# Altium PCB mainboard.PcbDoc (part 1 of 2)
Units mm, origin at the board's own origin, x right, y up, seen from the top; angles counter-clockwise.
Board outline 100 x 100 mm, 2 copper layers (Top Layer, Bottom Layer); 247 components, 133 nets, 768 pads, 342 vias.
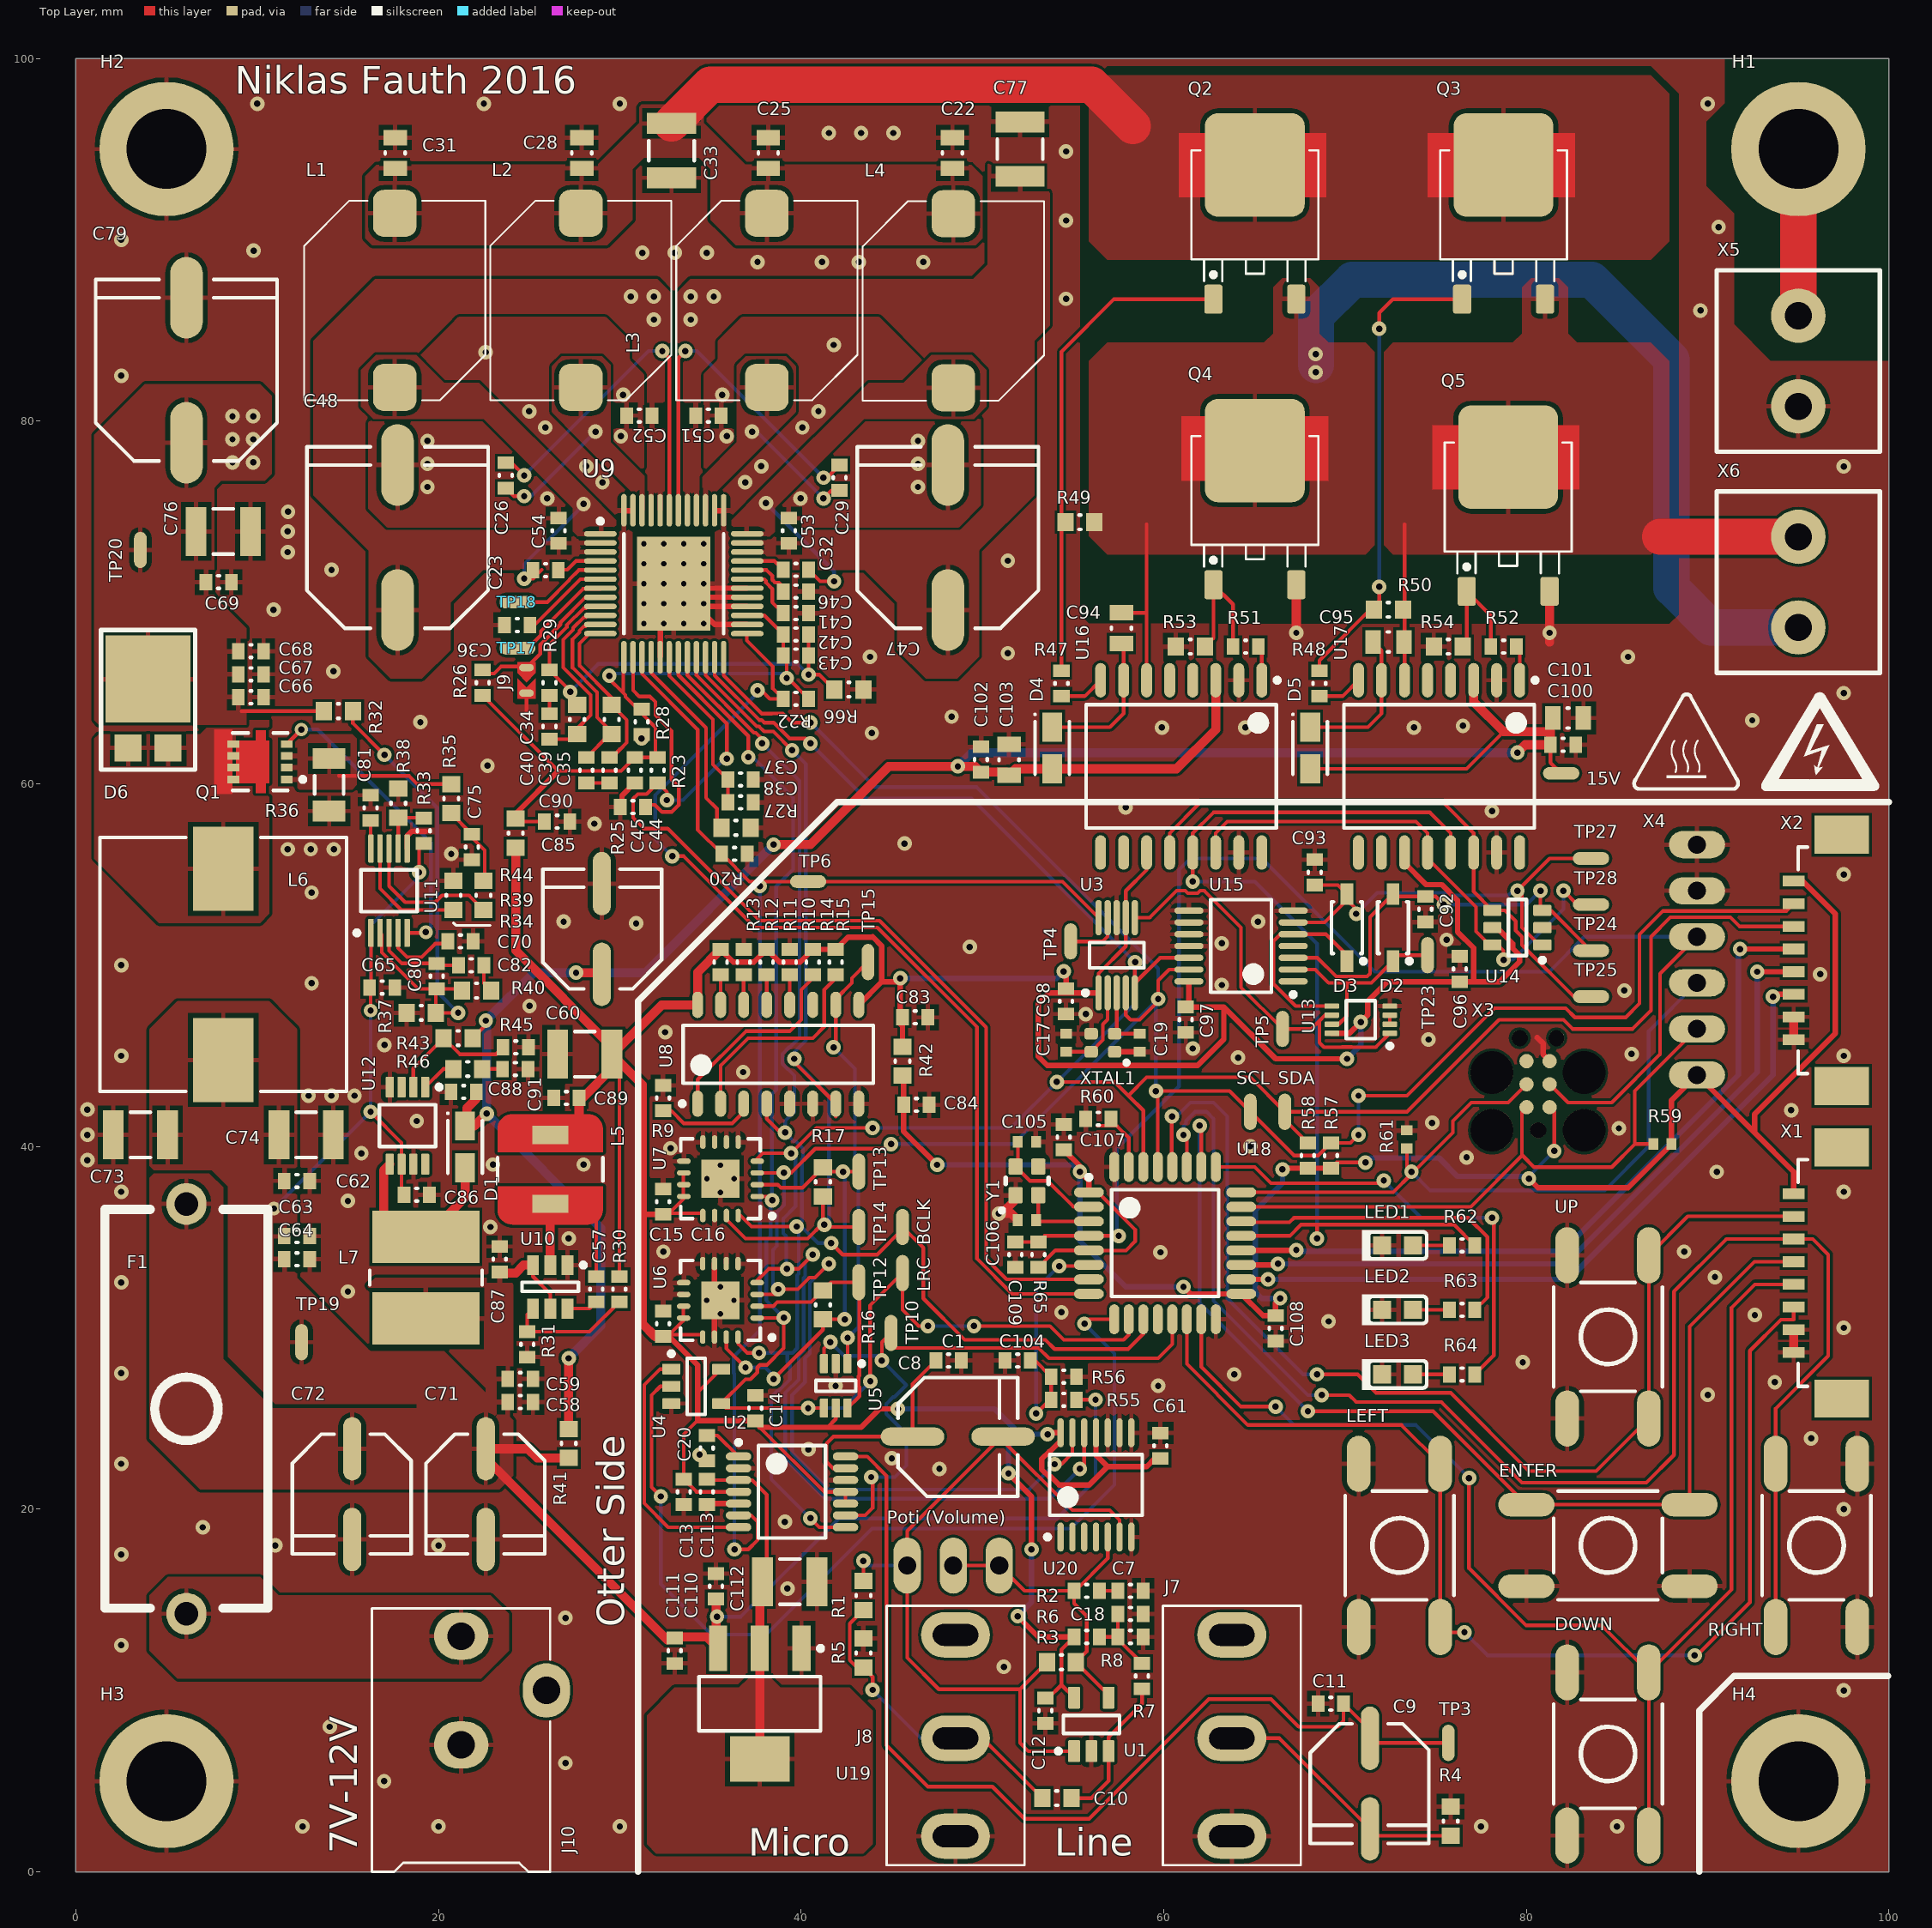
[diagram p0: Top Layer view]
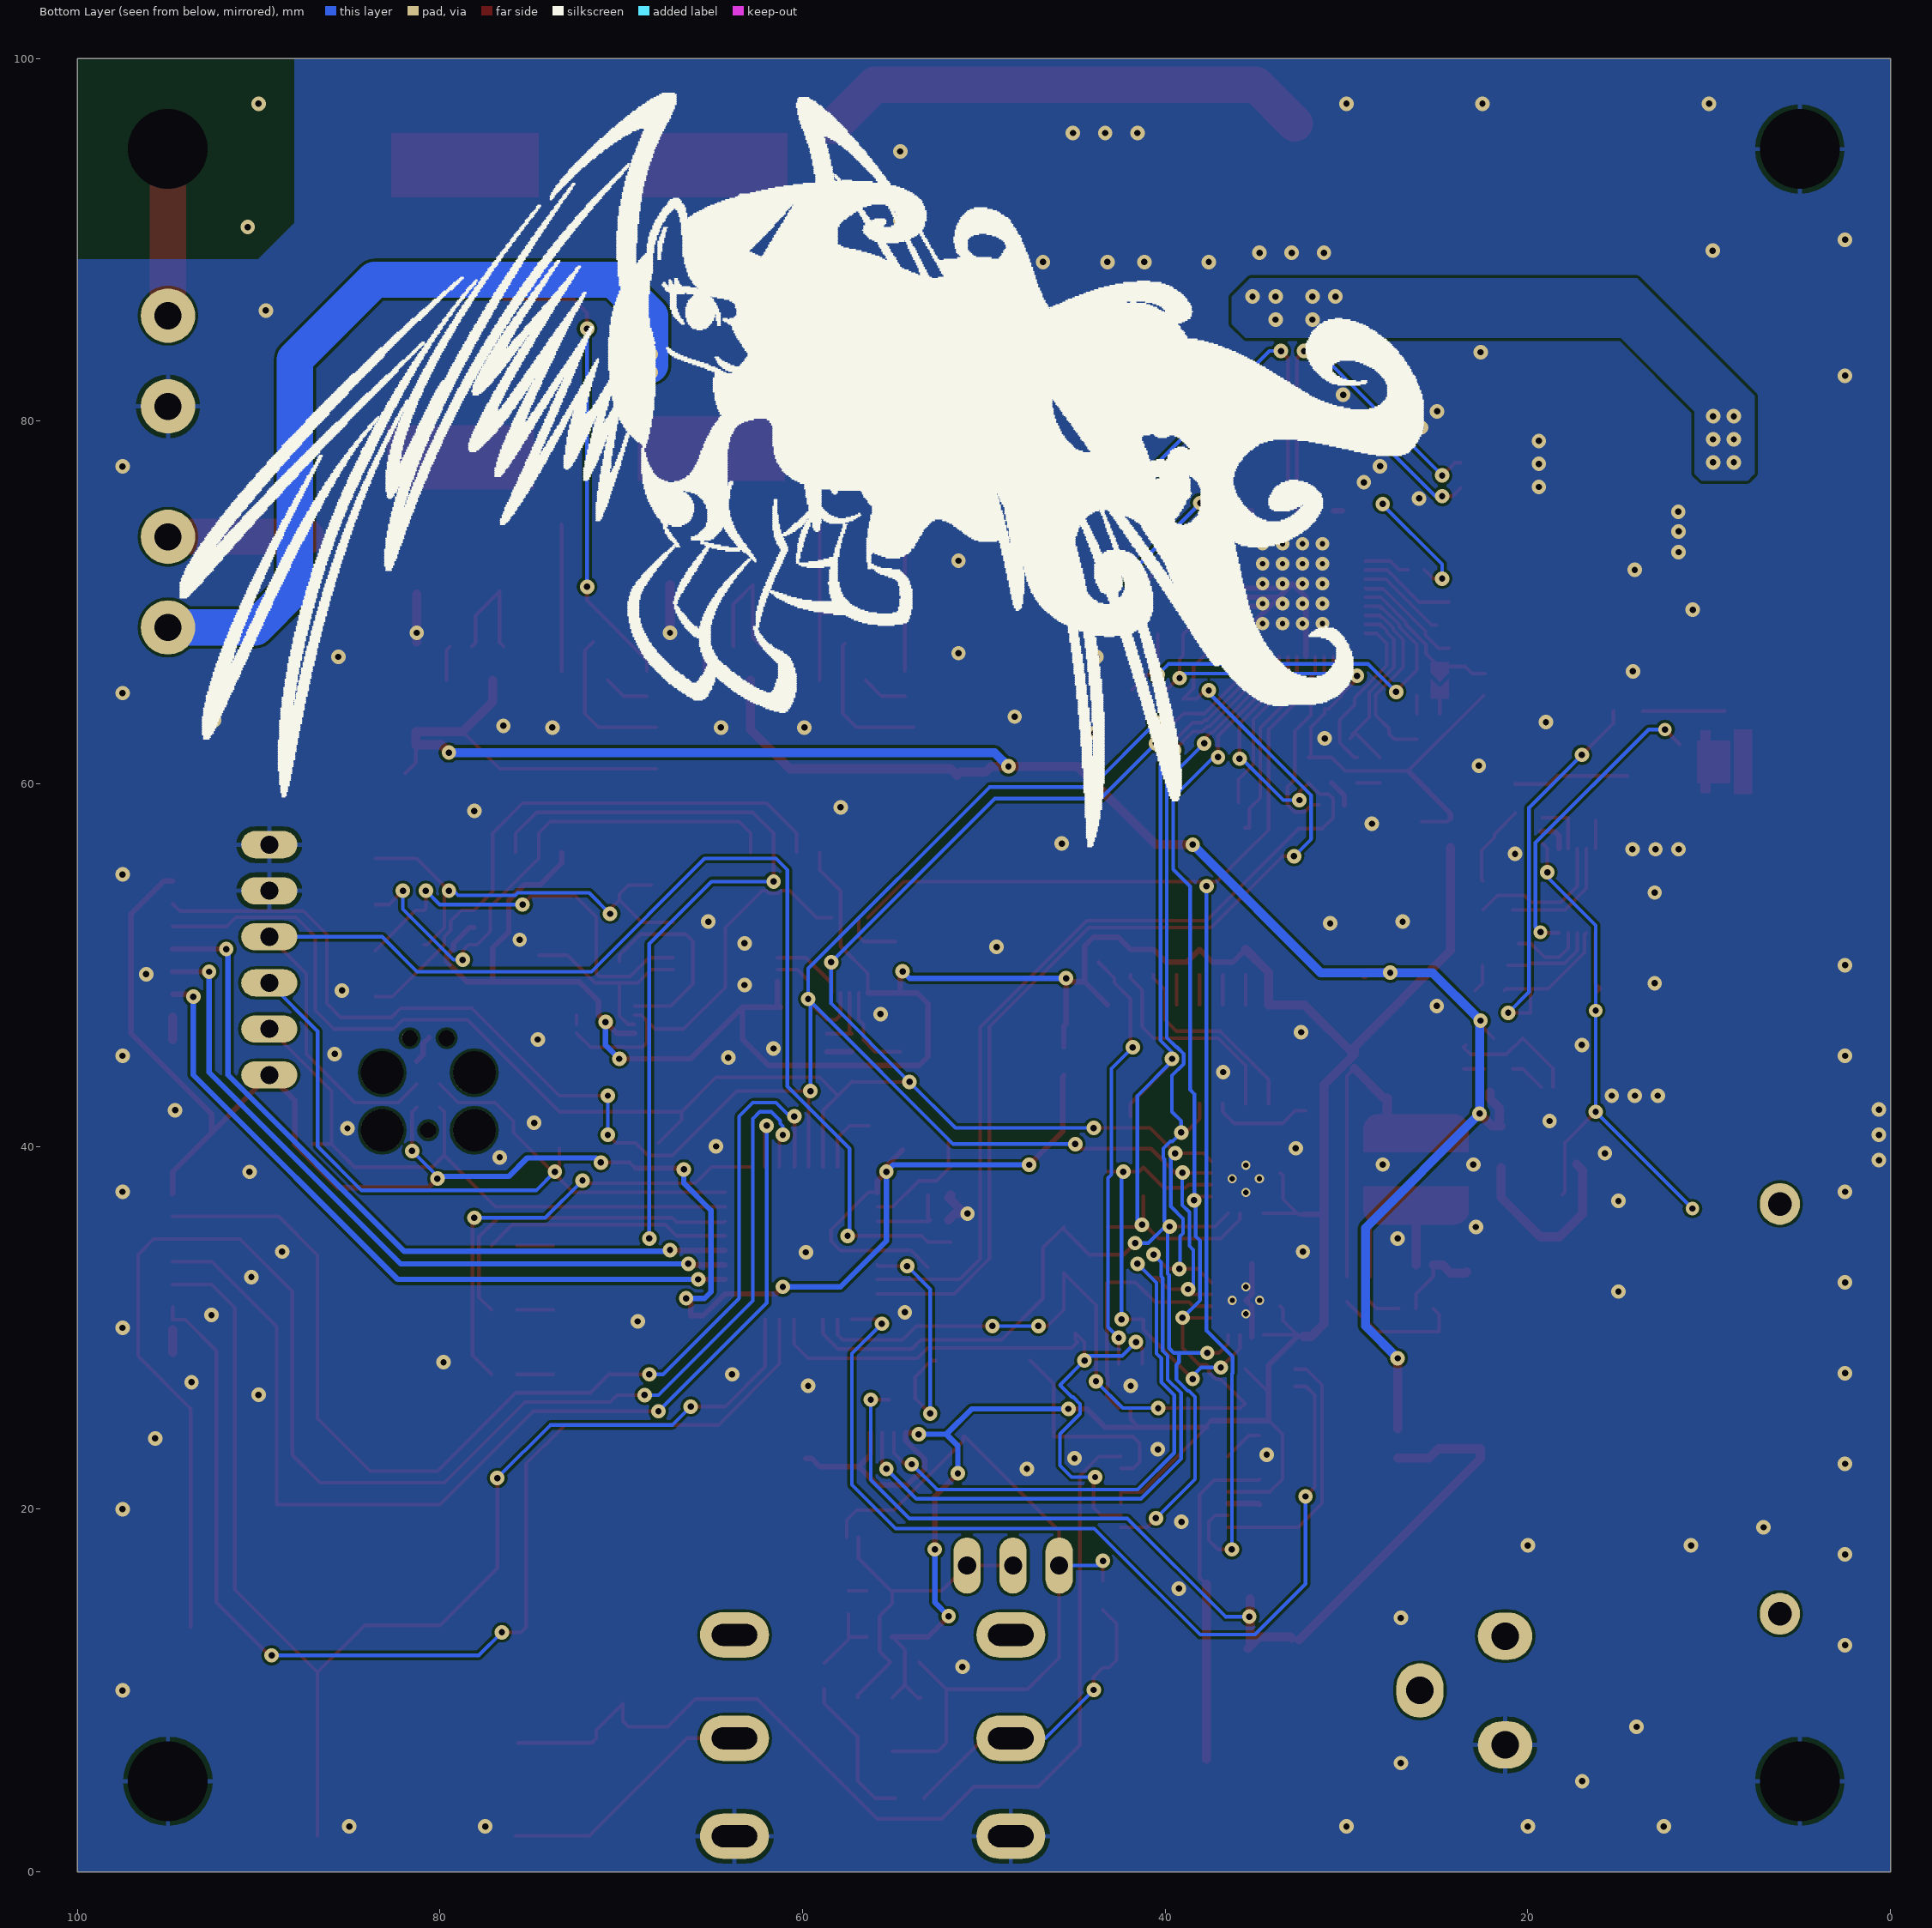
[diagram p1: Bottom Layer view, seen from below]
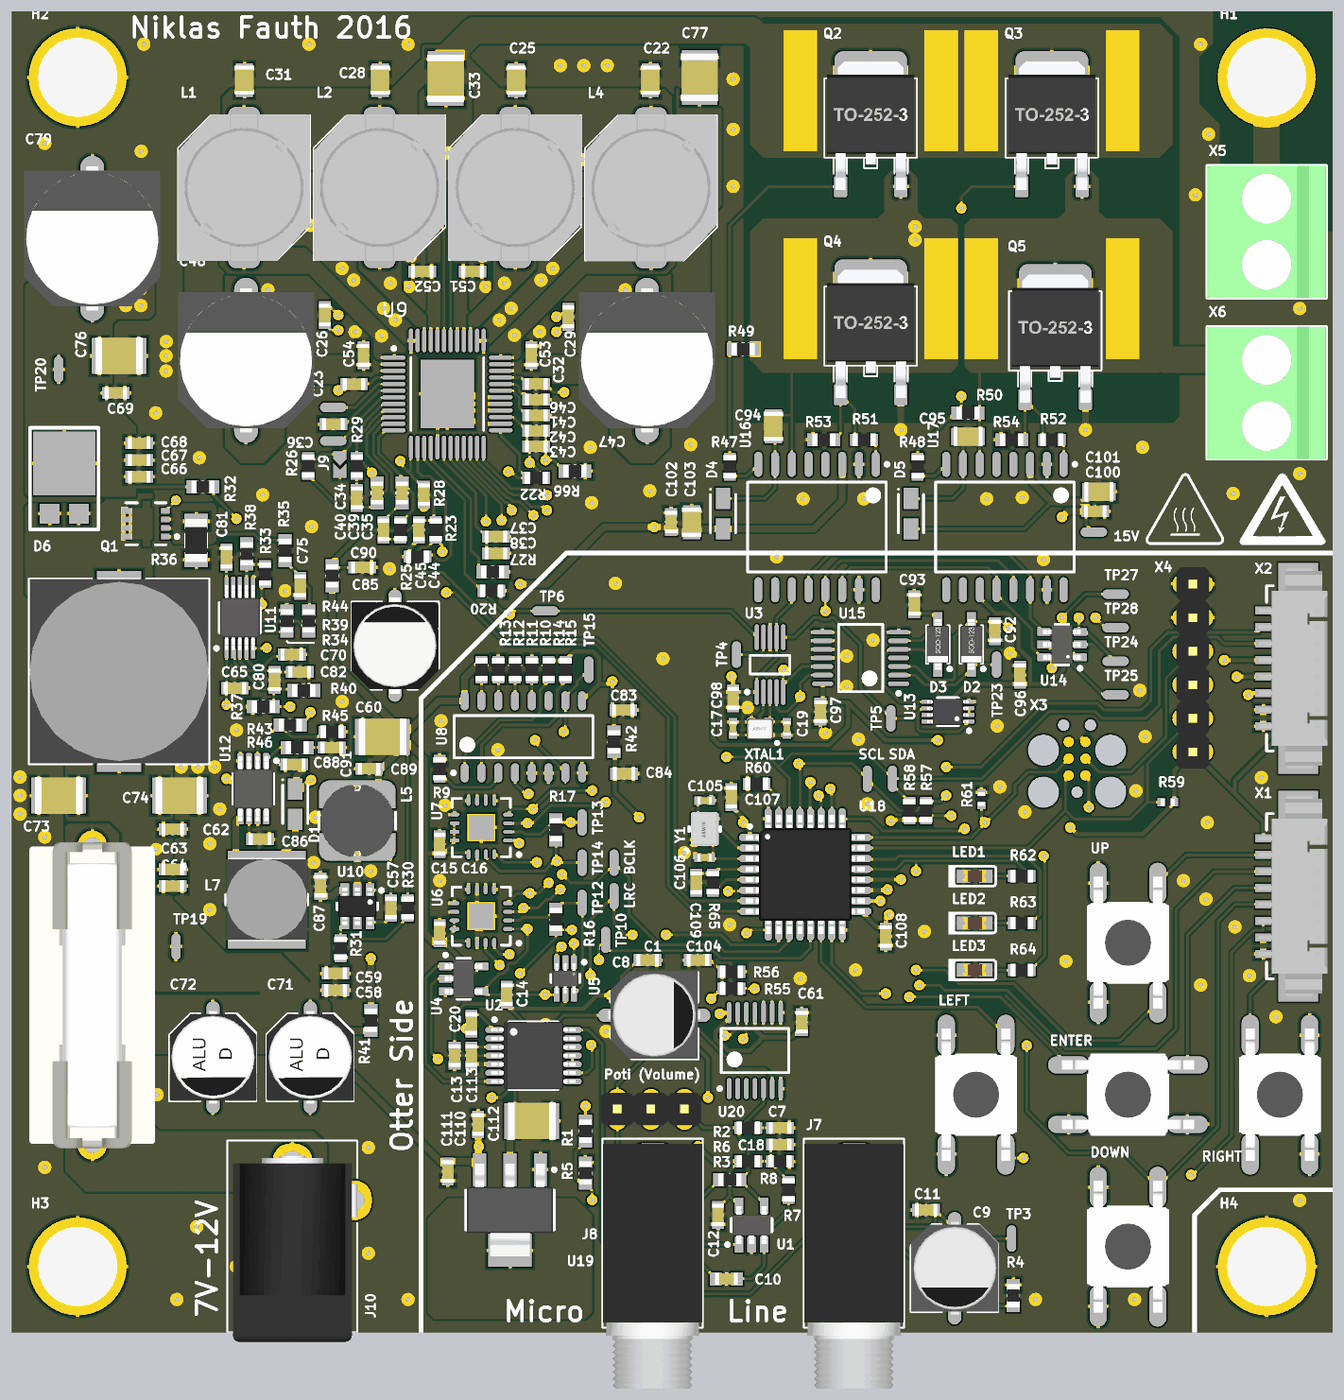
[diagram p3: 3D render of the assembled board from above, using the file's embedded part models]

## Layer stack, top to bottom
Top Solder: solder mask 0.0102, Solder Resist, Dk 3.5
Top Layer: signal copper 0.0356
Dielectric 1: dielectric 0.32, FR-4, Dk 4.8
Bottom Layer: signal copper 0.0356
Bottom Solder: solder mask 0.0102, Solder Resist, Dk 3.5

## Board outline
0,0 0,100 100,100 100,0

## Design rules (kind name [scope] priority, off if disabled: settings)
Clearance [All] p1: gap=0.15
PolygonConnect PolygonConnect_Vias [All vs isVia] p1: connectstyle=Direct reliefconductorwidth=0.254 reliefentries=4 polygonreliefangle="90 Angle" airgapwidth=0.254
PolygonConnect [All] p2: connectstyle=Relief reliefconductorwidth=0.254 reliefentries=4 polygonreliefangle="90 Angle" airgapwidth=0.254
RoutingVias [All] p1: holewidth=0.35 width=0.8 viastyle="Through Hole" minholewidth=0.3 minwidth=0.75 maxholewidth=0.711 maxwidth=1.27
SolderMaskExpansion [All] p1: expansion=0.102
Width [All] p1: maxlimit=3 minlimit=0.152 preferedwidth=0.2 minimp=50.000000 maximp=50.000000 favimp=50.000000
30 further rules are at their usual default settings.

## Classes and differential pairs
component class U_power: 15V C57 C58 C59 C60 C61 C62 C63 C64 C65 C66 C67 C68 C69 C70 C71 C72 C73 C74 C75 C76 C77 C79 C80 C81 C82 C83 C84 C85 C86 C87 C88 C89 C90 C91 C110 C111 C112 C113 D1 D6 F1 J10 L5 L6 L7 Q1 R30 R31 R32 R33 R34 R35 R36 R37 R38 R39 R40 R41 R42 R43 R44 R45 R46 TP19 TP20 U10 U11 U12 U19
component class U_pa: C22 C23 C25 C26 C28 C29 C31 C32 C33 C34 C35 C36 C37 C38 C39 C40 C41 C42 C43 C44 C45 C46 C47 C48 C51 C52 C53 C54 J9 L1 L2 L3 L4 R20 R22 R23 R25 R26 R27 R28 R29 R66 TP17 TP18 U9
component class U_logic: BCLK C1 C7 C8 C9 C10 C11 C12 C13 C14 C15 C16 C17 C18 C19 C20 J7 J8 LRC "Poti (Volume)" R1 R2 R3 R4 R5 R6 R7 R8 R9 R10 R11 R12 R13 R14 R15 R16 R17 SCL SDA TP3 TP4 TP5 TP6 TP10 TP12 TP13 TP14 TP15 U1 U2 U3 U4 U5 U6 U7 U8 U20 XTAL1
component class U_fet: C92 C93 C94 C95 C96 C97 C98 C100 C101 C102 C103 D2 D3 D4 D5 H1 H2 H3 H4 Q2 Q3 Q4 Q5 R47 R48 R49 R50 R51 R52 R53 R54 TP23 TP24 TP25 TP27 TP28 U13 U14 U15 U16 U17 X5 X6
component class U_cpu: C104 C105 C106 C107 C108 C109 DOWN ENTER LED1 LED2 LED3 LEFT R55 R56 R57 R58 R59 R60 R61 R62 R63 R64 R65 RIGHT U18 UP X1 X2 X3 X4 Y1

## Components (designator, comment, footprint, x,y, rotation, side; value= is the part's Value field where it differs from the comment)
15V "TP-SMD" TP 81.915,60.579 r180 top (schematic designator TP21)
BCLK "TP-SMD" TP 45.593,35.56 r90 top (schematic designator TP9)
C1 "1n 50V" C-0603-H 48.133,28.194 r0 top
C7 "1u 25v" C-0603-H 58.166,15.494 r180 top
C8 "22u 35V" SMD-6.3-3.9 48.641,24.003 r180 top
C9 "22u 35V" SMD-6.3-3.9 71.374,4.866 r90 top
C10 "33n 50V" C-0603-M 54.102,4.064 r180 top
C11 "1n 50V" C-0603-H 69.215,9.271 r180 top
C12 "100n 25V" C-0603-H 53.467,8.89 r90 top
C13 "100n 25V" C-0603-H 33.528,20.955 r90 top
C14 "100n 25V" C-0603-H 37.465,25.572 r270 top
C15 "100n 25V" C-0603-H 32.385,36.957 r270 top
C16 "100n 25V" C-0603-H 32.385,30.226 r270 top
C17 "22p 25V" C-0402-M 54.61,45.72 r90 top
C18 "100n 25V" C-0603-H 58.166,14.224 r180 top
C19 "22p 25V" C-0402-M 58.674,45.72 r270 top
C20 "10u 16v" C-0603-H 34.798,23.368 r90 top
C22 "100n 50V" C-0805-H 48.345,94.785 r90 top
C23 "3.3n 50V" C-0603-H 25.908,71.78 r180 top
C25 "100n 50V" C-0805-H 38.185,94.785 r90 top
C26 "3.3n 50V" C-0603-H 23.707,77.005 r270 top
C28 "100n 50V" C-0805-H 27.898,94.785 r90 top
C29 "3.3n 50V" C-0603-H 42.122,76.878 r270 top
C31 "100n 50V" C-0805-H 17.611,94.785 r90 top
C32 "3.3n 50V" C-0603-H 39.709,71.798 r0 top
C33 "2.2u 100V" C-1210-M 32.851,94.912 r270 top
C34 "4.7n 50V" C-0603-H 26.12,63.162 r270 top
C35 "4.7n 50V" C-0603-H 28.152,60.749 r90 top
C36 "2.2n 50V" C-0603-H 24.342,68.75 r180 top
C37 "100n 25V" C-0603-H 36.661,60.241 r180 top
C38 "4u7 10V" C-0603-H 36.661,58.971 r180 top
C39 "47n 50V" C-0603-M 29.549,63.543 r270 top
C40 "47n 50V" C-0603-M 27.644,63.543 r270 top
C41 "100n 25V" C-0603-H 39.709,69.41 r180 top
C42 "100n 25V" C-0603-H 39.709,68.242 r180 top
C43 "4u7 10V" C-0603-H 39.709,67.074 r180 top
C44 "100n 25V" C-0603-H 30.819,60.749 r90 top
C45 "4u7 10V" C-0603-H 31.2,63.416 r90 top
C46 "1u 25V" C-0603-H 39.709,70.604 r180 top
C47 "220u 35V" SMD-10x10 48.091,73.576 r270 top
C48 "220u 35V" SMD-10x10 17.738,73.576 r270 top
C51 "100n 50V" C-0603-H 34.883,80.307 r180 top
C52 "100n 50V" C-0603-H 31.073,80.307 r0 top
C53 "100n 50V" C-0603-H 39.328,73.957 r270 top
C54 "100n 50V" C-0603-H 26.628,73.957 r270 top
C57 "100n 25V" C-0603-H 28.702,32.131 r270 top
C58 "100n 50V" C-0603-H 24.511,25.908 r180 top
C59 "2.2u 16V" C-0603-H 24.511,27.178 r180 top
C60 "22u 25V" C-1210-M 28.067,45.085 r0 top
C61 "100n 50V" C-0603-H 59.817,23.495 r270 top
C62 "100n 25V" C-0603-H 12.192,38.1 r180 top
C63 "100n 25V" C-0603-H 12.192,35.052 r180 top
C64 "100n 25V" C-0603-H 12.192,33.782 r180 top
C65 "100n 25V" C-0603-H 16.891,48.768 r180 top
C66 "100n 50V" C-0603-H 9.652,64.77 r180 top
C67 "100n 50V" C-0603-H 9.652,66.04 r180 top
C68 "100n 50V" C-0603-H 9.652,67.31 r180 top
C69 "100n 50V" C-0603-H 7.874,71.12 r180 top
C70 "100n 50V" C-0603-H 21.209,51.308 r0 top
C71 "100u 16v" SMD-6.3-5.4 22.606,20.828 r90 top
C72 "100u 16v" SMD-6.3-5.4 15.24,20.828 r90 top
C73 "47u 16V" C-1210-M 3.556,40.64 r0 top
C74 "47u 16V" C-1210-M 12.7,40.64 r180 top
C75 "1n 50V" C-0603-H 21.844,56.515 r90 top
C76 "22u 25V" C-1210-M 8.128,73.914 r180 top
C77 "22u 25V" C-1210-M 52.07,94.996 r270 top
C79 "220u 35V" SMD-10x10 6.096,82.804 r270 top
C80 "2.2n 50V" C-0603-H 19.9,49.392 r90 top
C81 "10n 50V" C-0603-H 16.256,58.674 r270 top
C82 "1u 25v" C-0603-H 21.8,49.992 r180 top
C83 "100n 25V" C-0603-H 46.293,47.117 r180 top
C84 "100n 25V" C-0603-H 46.355,42.291 r180 top
C85 "100u 35v" SMD-6.3-7.7 29.007,51.994 r270 top
C86 "100n 50V" C-0603-H 18.796,37.338 r180 top
C87 "2.2u 16V" C-0603-H 23.368,33.782 r270 top
C88 "100n 50V" C-0603-H 21.387,43.002 r180 top
C89 "100n 25V" C-0603-H 27.051,42.672 r0 top
C90 "100n 25V" C-0603-H 26.543,57.912 r180 top
C91 "3.3n 50V" C-0603-H 24.232,44.272 r180 top
C92 "1n 50V" C-0603-H 74.422,53.086 r90 top
C93 "1n 50V" C-0603-H 68.326,55.118 r270 top
C94 "10u 25V" C-0805-H 57.658,68.58 r270 top
C95 "10u 25V" C-0805-H 72.39,67.818 r180 top
C96 "100n 25V" C-0603-H 76.327,49.784 r270 top
C97 "4u7 10V" C-0603-H 61.214,46.99 r90 top
C98 "100n 25V" C-0603-H 54.61,48.006 r90 top
C100 "100n 25V" C-0603-H 82.022,62.152 r180 top
C101 "10u 25V" C-0805-H 82.296,63.627 r180 top
C102 "100n 25V" C-0603-H 49.911,61.341 r270 top
C103 "10u 25V" C-0805-H 51.468,61.321 r270 top
C104 "100n 25V" C-0603-H 51.943,28.194 r0 top
C105 "18p 50V" C-0402-M 52.451,40.259 r0 top
C106 "18p 50V" C-0402-M 52.451,35.941 r180 top
C107 "100n 25V" C-0603-H 54.483,40.513 r270 top
C108 "10u 6,3V" C-0603-H 66.167,29.972 r90 top
C109 "100n 25V" C-0603-H 51.816,34.036 r90 top
C110 "100n 50V" C-0603-H 35.306,15.748 r270 top
C111 "2.2u 16V" C-0603-H 33.02,12.192 r90 top
C112 "22u 25V" C-1210-M 39.37,16.002 r180 top
C113 "100n 25V" C-0603-H 34.798,20.955 r90 top
D1 "SS1FH10" "DO-219AB (SMF)" 21.463,39.98 r90 top
D2 "BAT54T1G" SOD123 72.644,52.07 r270 top
D3 "BAT54T1G" SOD123 70.104,52.07 r270 top
D4 "SS1FH10" "DO-219AB (SMF)" 53.848,61.976 r90 top
D5 "SS1FH10" "DO-219AB (SMF)" 68.072,61.976 r90 top
D6 "6CWQ06FN" TO-277A 3.98,64.276 r90 top
DOWN "DOWN" BUTTON_TACT 84.5,6.5 r90 top (schematic designator SW5)
ENTER "ENTER" BUTTON_TACT 84.5,18 r180 top (schematic designator SW4)
F1 "Fuse 20x5" FUSE-22.5 6.096,25.53 r90 top
H1 "WE-ST-5MM-F" WE-Standoff-5MM-M3-Female 95,95 r0 top
H2 "WE-ST-5MM-F" WE-Standoff-5MM-M3-Female 5,95 r0 top
H3 "WE-ST-5MM-F" WE-Standoff-5MM-M3-Female 5,5 r0 top
H4 "WE-ST-5MM-F" WE-Standoff-5MM-M3-Female 95,5 r0 top
J7 "Mono phone jack" CONN_AudioJackMono 63.754,-0.234 r90 top
J8 "Mono phone jack" CONN_AudioJackMono 48.514,-0.234 r90 top
J9 "PBTL" jmpr 24.85,65.702 r90 top
J10 "CONN_PWR_JACK_2.1x5.5mm" CONN_PWR_JACK_2.1x5.5mm 21.25,-0.7 r180 top
L1 "L" L-SDR1105 17.586,86.657 r0 top
L2 "L" L-SDR1105 27.847,86.657 r0 top
L3 "L" L-SDR1105 38.109,86.657 r0 top
L4 "L" L-SDR1105 48.396,86.632 r0 top
L5 "SDR0604-330KL" SDR0604 26.162,38.735 r0 top
L6 "4u7" SRP1250 8.128,50.038 r90 top
L7 "100u" SRN6028 19.304,32.766 r90 top
LED1 "LED-0603-RED" LED-0603-RED 72.898,34.544 r0 top (schematic designator DS1)
LED2 "LED-0603-RED" LED-0603-RED 72.898,30.988 r0 top (schematic designator DS2)
LED3 "LED-0603-RED" LED-0603-RED 72.898,27.432 r0 top (schematic designator DS3)
LEFT "LEFT" BUTTON_TACT 73,18 r90 top (schematic designator SW2)